# Allegro board 2522-mb-pro_vc.brd (continued)
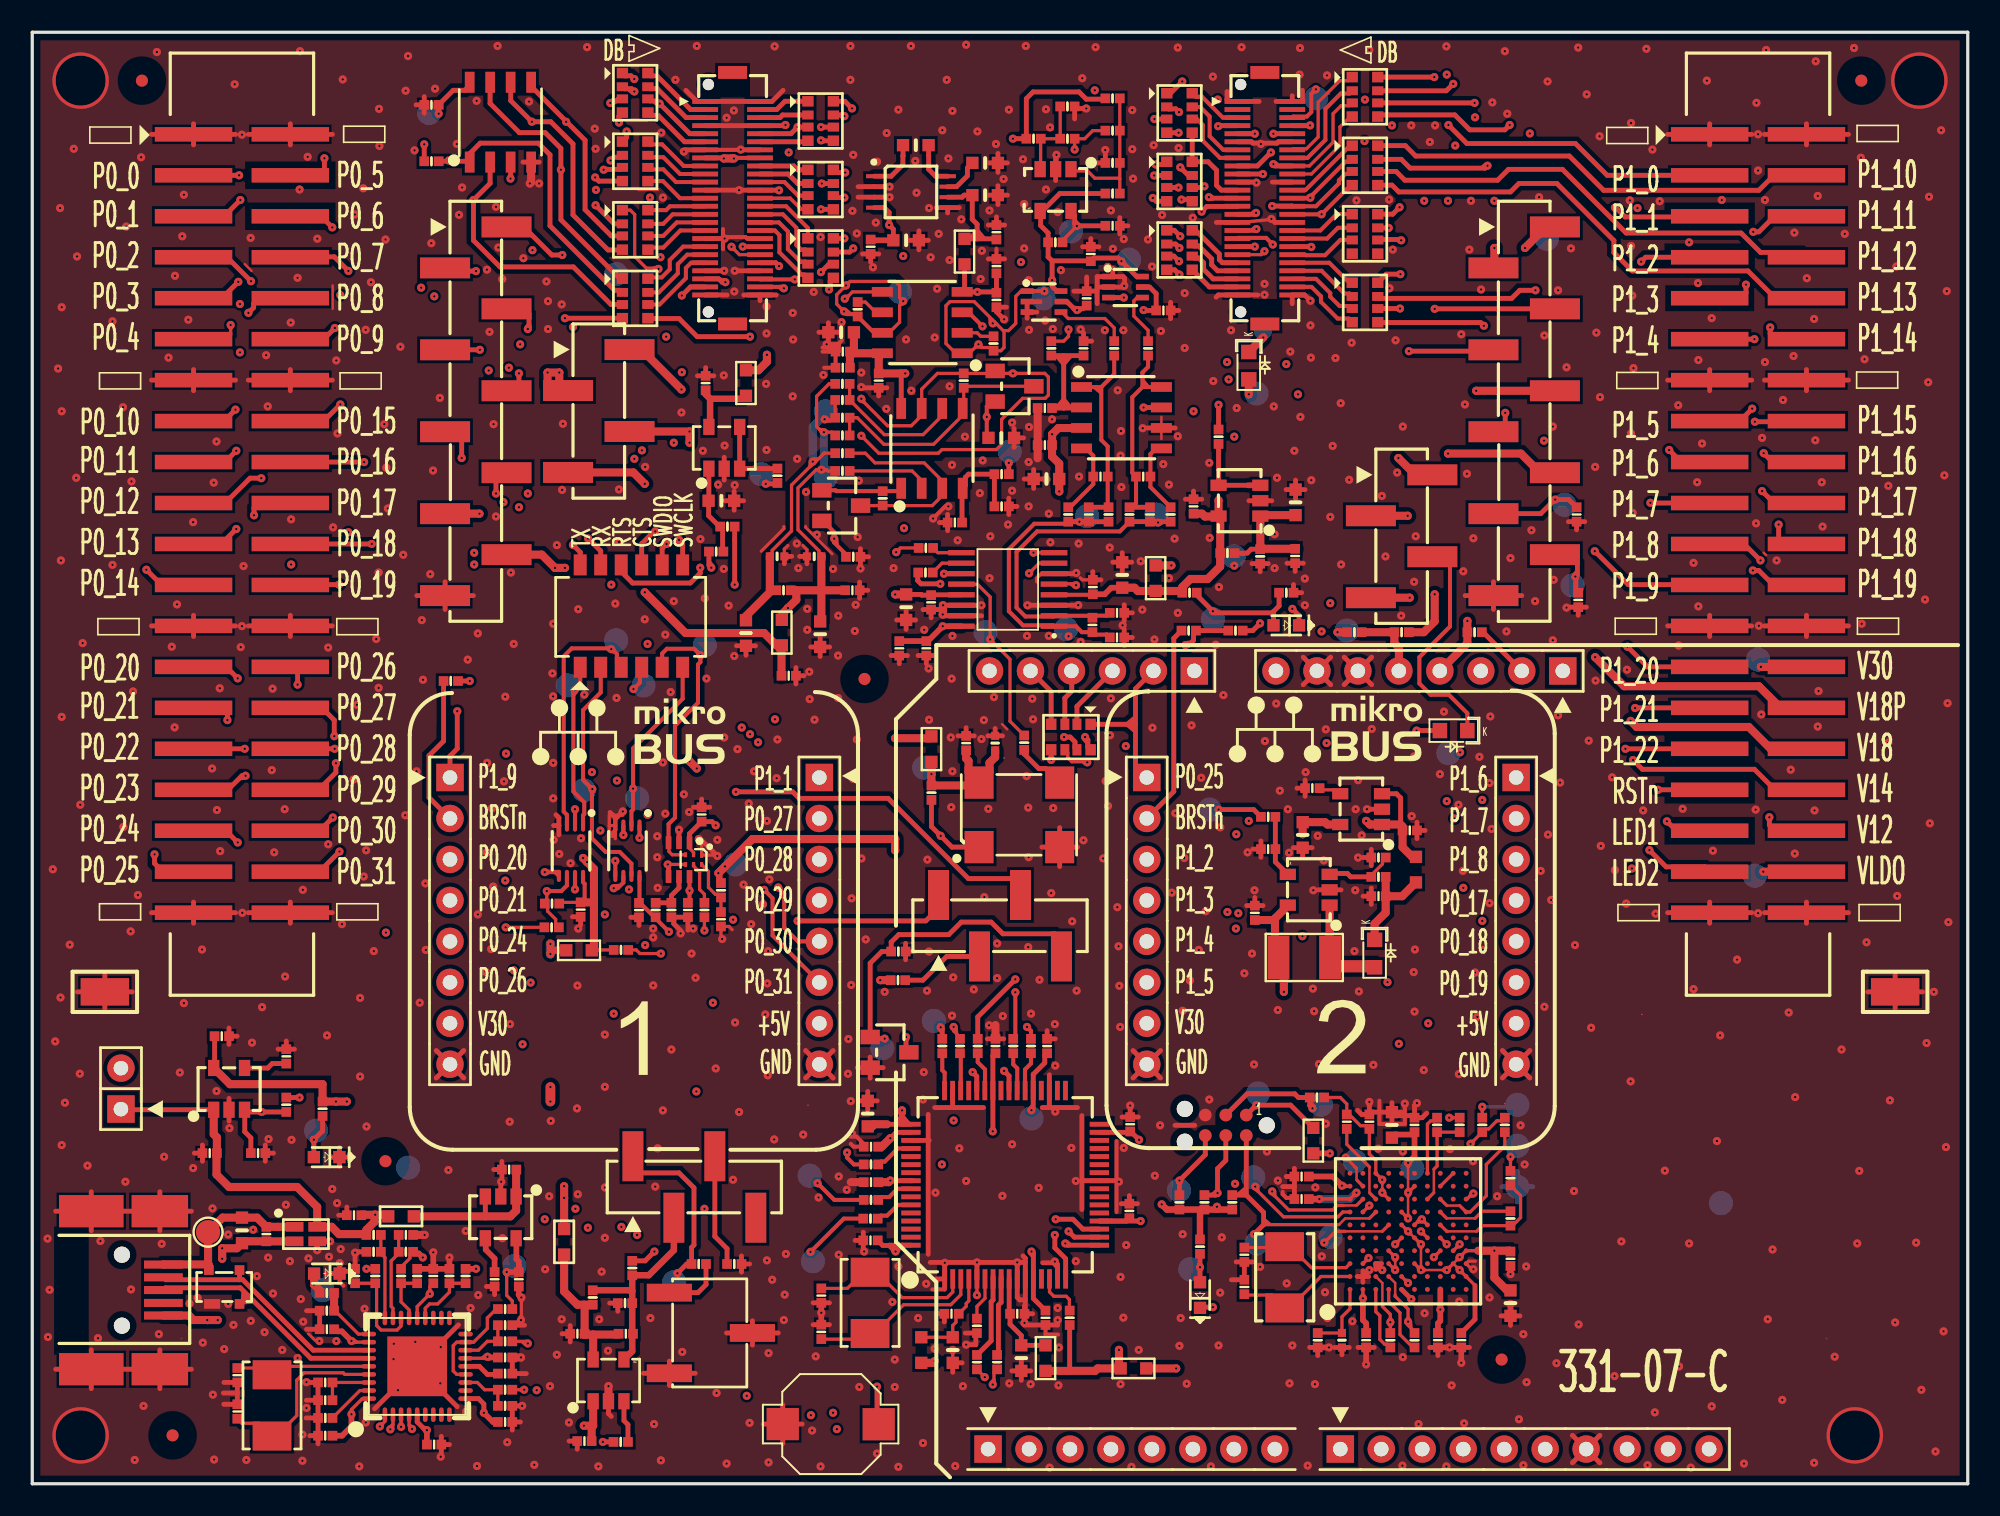
[diagram p0: board, top side]
## Routing (per net, layer and track width the routed paths; a pad name or vN(x,y) marks a point on that pad's centre or on a via; arc(x,y) is an arc through that point) (continued)
N17079327: length 5.3
  TOP w0.2: U11.27 21.86,14.03 21.61,14.28 R51.1 R47.2
N17079355: length 3.9
  TOP w0.2: U11.28 20.22,9.28 18.82,10.68 18.76,10.68 R56.1
  TOP w0.5: R56.1 R55.1
N17079359: length 4.1
  TOP w0.2: 26.86,12.43 25.86,12.43 25.86,11.88 25.14,11.15 24.64,11.15 24.36,10.88 U11.22
N17079379: length 6.1
  TOP w0.2: U11.25 22.86,9.78 22.61,9.53 21.63,9.53 21.35,9.81 21.35,12.35 21.27,12.43 20.02,12.43
N17079385: length 3.4
  TOP w0.2: U11.24 23.36,10.78 22.86,11.28 22.86,12.43 23.86,12.43
N17082298: length 11.6
  TOP w0.2: 61.5,46.4 60.62,47.28 60.62,51.12 v1(59.39,52.35) 59.39,54.98 58.6,55.77 57.62,55.77 U8.12
N17082660: length 1.9
  TOP w0.2: R39.2 56.15,57.73 U8.9
N17082690: length 2
  TOP w0.2: U8.10 56.41,57.08 R40.1
N17082834: length 3.2
  TOP w0.3: Y2.3 62.83,44.35 62.4,44.35 61.5,45.25 R44.1
N17121659: length 5
  TOP w0.25: Q1.1 49.81,61.6 49.86,61.55 R310.2 53.7,61.55 U6.1
N17121678: length 12.5
  TOP w0.25: 68.18,60.55 68.43,60.8 C22.2 68.2,62.68 68.2,67.37 68.83,68 ; R29.1 69.18,69.25 68.83,68.9 68.83,68 ; 70.01,68 68.83,68
  TOP w0.3: U7.8 70.01,68 ; C119.2 R26.2
N17121692: length 12.7
  TOP w0.2: Q1.3 52.18,60.65 52.19,60.65 R310.1 52.9,60.65 52.9,60.65 55.8,60.65 56.42,61.27 56.42,62.18 55.3,63.3 52.25,63.3 51.65,63.9 R27.2
  TOP w0.25: 56.42,61.72 U6.3
N17121694: length 5.2
  TOP w0.2: R30.2 54.55,62.8 55.14,62.21 55.14,61.72
  TOP w0.25: 55.14,61.72 U6.2
N17121873: length 32.4
  TOP w0.2: v1(49.12,66) 49.21,65.91 49.5,65.91 49.68,66.1 49.78,66.1 49.78,67.2 ; 49.78,63.9 49.1,63.9 48.58,63.38 v1(48.39,63.38) 48.39,63.24 47.08,61.92 47.08,59.08 45.88,57.88 45.88,57.64 45.73,57.5
  TOP w0.5: J9.1 37.77,70.33 v1(40.25,67.85) ; R28.2 45.79,55.4 ; 45.79,55.4 45.79,55.34 44.25,53.8 C106.2 ; 45.79,55.4 45.73,55.46 C25.1
  L3_INT2 w0.5: v1(49.12,66) 42.1,66 v1(40.25,67.85)
  BOTTOM w0.5: v1(49.12,66) 48.85,66 48.39,65.54 v1(48.39,63.38)
N17121979: length 22.1
  TOP w0.2: v1(50.38,73.47) 50.42,73.47 50.85,73.9 52.7,73.9
  TOP w0.25: R33.1 50.45,57.62 49.72,58.36 v1(49.72,58.6) 49.72,59.01 49.02,59.7 Q1.2 ; 52.7,73.9 U9.5
  L5_INT4 w0.15: v1(50.38,73.47) 50.35,73.45 50.2,73.45 48.13,71.38 48.13,64.92 49.85,63.2 49.85,58.73 v1(49.72,58.6)
N17122254: length 4.7
  TOP w0.25: R31.1 69.33,61.8 C22.1 69.33,63.85 69.68,64.2 70.01,64.2
  TOP w0.3: U7.5 70.01,64.2
N17122256: length 4.8
  TOP w0.25: R34.1 64.35,60.55 65.78,61.98 C30.1 65.78,63.75 65.33,64.2 65.05,64.2
  TOP w0.3: U7.4 65.05,64.2
N17122316: length 12.4
  TOP w0.25: 66.28,68 66.28,64.72 66.68,64.32 C30.2 66.68,60.6 R35.2 ; 66.28,68 67.08,68.8 R36.1 ; 66.28,68 65.22,68
  TOP w0.3: 65.22,68 65.22,68 U7.1 ; R35.2 C120.2
N17122322: length 3.5
  TOP w0.2: R29.2 69.18,71.52 68.3,72.4 68.3,73.35 68.5,73.55 68.57,73.55
  TOP w0.3: U15.4 68.57,73.55
N17136414: length 4.9
  TOP w0.3: U1.4 U1.3 43.87,62.95 R72.2
N17136436: length 4.7
  TOP w0.4: U1.5 42.02,65.61 42.02,67.28 ; 42.02,67.28 44.07,67.28 LP11.1 ; 42.02,67.28 41.75,67.55 C1.2
N17136444: length 5.6
  TOP w0.3: R3.2 42.8,57.85 42.8,59.2 R147.2 42.61,59.35 41.93,60.02 R148.1 41.93,61.12 41.95,61.14 U1.1
N17154929: length 2.6
  TOP w0.25: U12.38 61.56,24.31 61.55,24.3 61.55,25.69 61.92,26.06 R61.1
N17154945: length 2.7
  TOP w0.25: U12.39 61.06,24.25 61.07,24.24 61.07,25.75 60.82,26 R63.1
N17154973: length 2.6
  TOP w0.2: 54.62,20.79 U12.52
  TOP w0.25: R68.1 52.62,19.98 52.85,19.98 53.67,20.79 U12.52
N17155001: length 2.8
  TOP w0.25: U12.43 59.06,24.25 59.07,24.24 59.07,25.69 58.62,26.14 R67.1
N17155045: length 10.3
  TOP w0.2: C67.2 50.54,12.11 51.54,13.12 Y4.1 52.36,13.12 53.94,11.54 56.72,11.54 57.07,11.89 U12.2 57.07,12.84
N17155047: length 10.9
  TOP w0.2: 57.57,12.84 U12.3 57.57,11.72 56.95,11.1 54.03,11.1 52.24,9.31 Y4.2 51.6,8.97 C74.1
N17155095: length 6.1
  TOP w0.2: 58.07,12.84 U12.4 58.07,11.34 57.9,11.18 57.9,11 C55.2 57.27,10.37 57.27,10.01 57.07,9.81 C54.1 LP7.2
N17155127: length 6.1
  TOP w0.2: 60.57,12.84 U12.9
  TOP w0.3: U12.9 60.57,10.59 C46.2 60.62,9.89 61.32,9.19 C45.1 LP6.2
N17155179: length 3.1
  TOP w0.2: R65.2 64.3,10.76 64.3,11.43 64.1,11.62 63.34,11.62 63.07,11.89 U12.14 63.07,12.84
N17155343: length 5
  TOP w0.3: 60.07,12.84 U12.8 60.07,11.25 59.9,11.08 59.9,8.07 R53.2
N17155361: length 5.3
  TOP w0.3: R52.2 59.45,8.87 59.45,11.27 59.57,11.39 U12.7 59.57,12.84
N17155380: length 2.8
  TOP w0.2: R57.2 58.57,11 59.07,11.5 U12.6 59.07,12.84
N17164497: length 15.3
  TOP w0.3: R71.1 v1(14.22,23.05) 13.3,23.05 13.18,23.18 ; 13.18,23.18 13.18,21.82 13.55,21.45 C104.2 ; 13.18,23.18 U14.3
  L3_INT2 w0.15: v1(14.22,23.05) 8.22,23.05 J6.2
N17181215: length 2.4
  TOP w0.25: U12.48 56.56,24.44 56.57,24.45 56.57,25.49 56.42,25.64 R82.1
N17181512: length 7.1
  TOP w0.3: 63.95,69.95 65.17,69.95 C29.2 ; 63.95,69.95 63.95,66.7 ; 63.95,69.95 63.19,69.95 63.19,69.94 R95.1 ; U7.2 65.02,66.7 63.95,66.7 ; 63.95,66.7 C99.2
N17183681: length 5.2
  TOP w0.3: R79.2 U10.4 75.38,61.91 ; U10.3 76.13,61.91
  TOP w0.35: 76.13,61.91 75.38,61.91
N17218883: length 1.4
  TOP w0.2: C88.1 79.92,43.02 80.67,43.02 80.91,42.79 80.97,42.79
  TOP w0.3: 80.97,42.79 80.98,42.78 U17.4
N17218976: length 6.4
  TOP w0.5: LP13.1 84.93,36.43 C89.2 ; C89.2 83.91,35.41 83.22,34.72 D8.1 ; C89.2 R83.2
N17222123: length 35.5
  TOP w0.5: C85.2 76.95,34.95 77.05,35.05 ; v1(77.6,30.5) 77.6,32.3 L2.1 77.05,32.84 77.05,35.05 ; 77.05,35.05 77.84,35.84 U18.5 ; v1(70.92,7.15) LP1.2
  L5_INT4 w0.5: v1(70.92,7.15) 78.03,14.25 78.03,30.07 v1(77.6,30.5)
N17222127: length 6.3
  TOP w0.5: L2.2 80.44,32.66 U18.1
  TOP w0.75: L2.2 81.01,32.09 83.16,32.09 D8.2
N17222179: length 4.3
  TOP w0.2: R84.1 83.72,38.63 83.72,38.43 83.02,37.73 R83.1
  TOP w0.3: R83.1 81.75,37.63 81.53,37.84 80.49,37.84 U18.3
N17222640: length 3.9
  TOP w0.3: R85.2 C105.2 77.07,38.56 U18.4
N17232757: length 2.3
  TOP w0.25: R81.1 57.57,26.64 57.57,24.4 57.56,24.39 U12.46
N17314139: length 10
  TOP w0.3: 34.2,9.25 C21.2 ; C115.1 36.3,9.25
  TOP w0.5: 34.2,11.1 33.8,11.1 32.98,11.93 LP5.2 ; 34.2,11.1 34.75,11.1 R23.1 ; 34.2,11.1 34.25,11.05 C21.2 ; U5.5 34.77,9.25 ; 34.77,9.25 36.3,9.25 ; 34.77,9.25 34.2,9.25 34.2,9.25
N17314141: length 13.3
  TOP w0.3: 37.2,9.4 37.25,9.35 C115.2
  TOP w0.4: R23.2 37.05,12 37.15,11.9 37.2,11.95 ; 37.2,11.95 R314.1 38.23,12.93 39.78,14.48 39.78,16.5 ; 37.2,11.95 37.2,11.2 R25.1 37.2,8.22 U5.4
N17314223: length 2.6
  TOP w0.3: U5.3 36.69,3.91 36.93,3.67 R24.1
N17317302: length 2.8
  TOP w0.3: R70.1 18,21.88 v1(17.46,21.33) D5.2
N17441945: length 15.7
  TOP w0.2: 57.69,66.72 57.75,66.79 R311.1 57.85,68.05 Q2.3 ; R141.2 R109.2 51.15,66.1 52.8,64.45 55.88,64.45 57.68,66.25 57.68,66.73
  TOP w0.3: 57.68,66.73 57.69,66.72 U6.5
N17441947: length 8.6
  TOP w0.2: 56.42,66.68 56.42,66.24 55.23,65.05 52.83,65.05 R142.2 R111.2
  TOP w0.25: 56.42,66.68 U6.6
N17441976: length 10.2
  TOP w0.2: 57.84,72.64 57.85,72.64 58.04,72.64 58.05,72.64
  TOP w0.25: U9.3 58.05,72.64 v1(58.91,71.77) ; R112.1 59.18,64.96 v1(59.18,66.15) 59.18,66.8 59.43,67.05 59.65,67.05 Q2.2
  L5_INT4 w0.2: v1(59.18,66.15) 59.18,71.5 v1(58.91,71.77)
N17445309: length 49.7
  TOP w0.2: 62.52,78.81 62.49,78.84 U19.4
  TOP w0.3: 63.23,75.83 v1(63.23,74.62) 63.23,74.24 63.52,73.95 U16.6 ; 63.23,75.83 62.98,76.07 R118.2 62.98,77.55 62.52,78.02 62.52,78.81 63.71,80 R116.2 ; 63.23,75.83 65.61,75.83 C98.1 65.83,76 67.33,76 v1(67.53,75.8) 68.48,74.85 U15.6 ; D1.1 78.54,53.83 v1(78.12,54.25)
  L3_INT2 w0.15: v1(77.75,69.42) 75.12,69.42 69.78,74.78 63.38,74.78 v1(63.23,74.62)
  L5_INT4 w0.15: v1(78.12,54.25) 77.75,54.62 v1(77.75,69.42)
N17450513: length 2
  TOP w0.2: U9.2 58.59,71.36 58.8,71.15 R313.1
N17450521: length 31.6
  TOP w0.2: U16.1 61.3,73.95 60.98,73.62 60.98,71.95 60.52,71.5 60.25,71.5 ; 60.25,71.5 60.2,71.5 59.8,71.9 59.65,71.9 59.6,71.95 v1(59.55,71.95) 59.55,72.15 58.4,73.3 56.9,73.3 56.65,73.05 56.65,70.7 57.26,70.09 U9.1 58.1,70.09 58.66,70.65 v1(58.66,70.65) 58.87,70.45 59.4,70.45 R313.2 60.05,70.25 60.25,70.45 60.25,71.5
  TOP w0.25: U16.1 v1(62.75,73.95)
  L5_INT4 w0.15: 58.45,71.47 58.45,72 58.7,72.25 59.3,72.25 59.55,72 v1(59.55,71.95) 59.61,71.89 59.61,71.84 59.65,71.8 59.65,65.95 59.35,65.65 58.95,65.65 58.66,65.94 v1(58.66,70.65) 58.66,71.26 58.45,71.47
N17452866: length 4.5
  TOP w0.2: U16.4 63.83,72.65 64.23,72.25 66.5,72.25 67.08,71.67 R36.2
N17458247: length 64.4
  TOP w0.2: U9.7 53.12,71.36 53.77,72.03 53.77,73.05 54,73.28 v1(54,73.33) 53.77,73.55 53.77,74.31 53.53,74.55 50.7,74.55 v1(50.45,74.3) 49.88,73.72 49.88,73.15 v1(50.34,72.69)
  TOP w0.25: U9.7 52.19,71.36 R312.2 51.03,72.53 50.5,72.53 v1(50.34,72.69)
  TOP w0.3: U15.3 v1(67.67,73.55)
  L3_INT2 w0.15: v1(67.67,73.55) 67.55,73.42 54.1,73.42 v1(54,73.33)
  L5_INT4 w0.15: 48.52,71.12 50.09,72.69 v1(50.34,72.69) 51.05,73.4 51.05,73.75 50.5,74.3 v1(50.45,74.3) 50.4,74.25 50.35,74.25 47.73,71.63 47.73,64.74 49.45,63.02 49.45,59 49.2,58.75 49.2,58.35 49.5,58.05 49.95,58.05 50.25,58.35 50.25,63.35 48.52,65.08 48.52,71.12
N17458255: length 1.8
  TOP w0.2: R312.1 51.65,73.27 52.29,72.64 U9.6
N17477323: length 2.4
  TOP w0.25: U12.59 53.66,17.29 53,16.62 52.6,16.62 R114.1
N17477326: length 4.1
  TOP w0.25: 51.52,16.44 50.31,16.44 v1(48.25,14.38)
N17495408: length 9.2
  TOP w0.2: 67.43,80.9 R115.2 R117.2 R138.1 ; 67.43,80.9 R116.1 ; 67.43,80.9 67.38,80.95 65.88,80.95 65.43,81.4 64.43,81.4 64.4,81.43 U19.1
N17497704: length 5.3
  TOP w0.2: 63.73,85.4 63.73,83.4 R119.2 62.52,83.39 62.52,81.4 62.49,81.43 U19.3
N17613995: length 2.4
  TOP w0.3: C110.1 57.98,81.59 57.98,81.1 57.3,80.42 56.76,80.42
N17613998: length 3.3
  TOP w0.3: C109.1 53.99,82.34 53.98,82.33 53.98,81.8 53.26,81.08 52.2,81.08
N17614007: length 2.9
  TOP w0.3: C109.2 55.57,82.34 55.58,82.33 55.58,81.5 56.01,81.08 56.76,81.08
N17614141: length 6.4
  TOP w0.3: 58.58,77.19 59.74,77.19 C112.2 ; 58.58,77.19 58.58,78.1 58.28,78.4 58.28,79.89 C111.1 57.78,79.9 57.66,79.78 56.76,79.78 ; 58.58,77.19 LP3.2
N17618469: length 8.1
  TOP w0.3: R80.1 75.57,57.95 75.33,57.7 R78.2
  TOP w0.5: 76.14,57.96 76.16,57.97 C41.2 ; 76.14,57.96 U10.1 76.2,60.06 C44.1 ; 76.14,57.96 R80.1
N17648602: length 7.6
  TOP w0.3: R135.1 72.2,55.1 v1(73.2,54.1) 73.25,54.1 73.35,54 76.88,54 76.96,54.08 ; R136.2 77.3,54.43 76.96,54.08 ; 76.96,54.08 D1.2
N17745479: length 23.5
  TOP w0.5: C121.1 46.45,51.96 LP4.2 46.14,51.98 45.37,52.75 40.5,52.75 v1(37.98,55.27) ; v1(37.98,62) 37.27,62.7 J9.4
  L5_INT4 w0.5: v1(37.98,62) v1(37.98,55.27)
N17757174: length 3.8
  TOP w0.3: J2.41 73.79,75.71 73.6,75.9 73.6,76.25 72.13,77.72 RN6.8
N17757176: length 3.7
  TOP w0.3: J2.43 73.49,75.21 73.12,75.58 73.12,75.95 72.33,76.75 72.04,76.75 RN6.7
N17757178: length 3.6
  TOP w0.3: RN6.6 72.04,76 72.33,76 72.62,75.7 72.62,75.3 73.22,74.71 J2.45
N17757180: length 3.2
  TOP w0.3: J2.47 72.98,74.21 RN6.5
N17757188: length 4.6
  TOP w0.25: J2.13 73.84,82.71 73,83.55 73,84.78 72.41,85.37 RN5.7
N17757190: length 4.4
  TOP w0.25: J2.15 73.64,82.21 72.58,83.27 72.58,84.25 72.2,84.62 RN5.6
N17757192: length 3.4
  TOP w0.25: J2.5 73.81,84.71 72.53,86 72.14,86 RN5.8
N17757222: length 6.9
  TOP w0.2: J2.14 78.19,82.78 79,82.78 79.72,83.5 79.72,85.66 81.07,87 81.62,87 RN7.1
N17757224: length 6.6
  TOP w0.25: J2.16 79.06,82.21 80.17,83.33 80.17,85.25 81.13,86.2 81.67,86.2 RN7.2
N17757228: length 5.9
  TOP w0.2: RN7.4 81.72,84.77 81.08,84.12 81.08,82.98 79.31,81.21 J2.20
N17757230: length 4.9
  TOP w0.25: J2.24 78.94,80.21 81.7,82.97 RN8.1
N17757284: length 4.3
  TOP w0.3: J1.5 40.54,84.71 38.75,86.5 38.29,86.5 RN1.7
N17757290: length 4.5
  TOP w0.3: RN1.8 38.34,87.3 38.73,87.3 40.81,85.21 J1.3
N17757294: length 4.3
  TOP w0.3: RN1.5 38.34,84.85 38.8,84.85 40.44,83.21 J1.11
N17757296: length 4.2
  TOP w0.25: J1.17 40.39,81.71 39.05,83.05 38.34,83.05 RN2.8
N17757298: length 4
  TOP w0.25: RN2.7 38.29,82.25 39.13,82.25 40.17,81.21 J1.19
N17757300: length 3.9
  TOP w0.25: RN2.6 38.29,81.5 39.12,81.5 39.91,80.71 J1.21
N17757306: length 4
  TOP w0.25: J1.25 40.16,79.71 39.1,80.77 RN2.5
N17757308: length 3.6
  TOP w0.25: RN10.8 39.29,78.97 39.53,79.21 J1.27
N17757310: length 3.8
  TOP w0.25: J1.29 39.71,78.71 39.12,78.12 RN10.7
N17757312: length 3.9
  TOP w0.25: J1.31 39.96,78.21 39.12,77.37 RN10.6
N17757314: length 4
  TOP w0.25: RN10.5 38.3,76.65 39.13,76.65 40.19,77.71 J1.33
N17757316: length 4.7
  TOP w0.25: J1.37 40.36,76.71 39.52,75.88 39.52,75.3 39.02,74.8 38.25,74.8 RN13.8
N17757318: length 4.9
  TOP w0.25: J1.39 40.61,76.21 40.02,75.62 40.02,75.05 38.84,73.87 RN13.7
N17757320: length 5
  TOP w0.25: RN13.6 38.9,73.12 40.52,74.75 40.52,75.39 40.85,75.71 J1.41
N17757330: length 3
  TOP w0.3: J1.12 48.03,83.21 RN3.4
N17757336: length 3.1
  TOP w0.3: RN4.1 47.46,81.47 47.22,81.71 J1.18
N17757338: length 3.2
  TOP w0.3: RN4.2 47.45,80.62 46.86,81.21 J1.20
N17757340: length 4.7
  TOP w0.25: J1.32 46.29,78.21 46.85,77.65 46.85,76.55 47.63,75.78 47.94,75.78 RN11.3
N17757342: length 4.8
  TOP w0.25: RN11.4 47.88,74.97 47.7,74.97 46.33,76.35 46.33,77.42 46.04,77.71 J1.34
N17757344: length 4.2
  TOP w0.25: RN11.1 48.09,77.86 46.74,79.21 J1.28
N17757346: length 4.6
  TOP w0.25: J1.30 46.54,78.71 47.38,77.87 47.38,76.8 47.65,76.53 47.94,76.53 RN11.2
N17757348: length 3.3
  TOP w0.25: RN4.3 47.48,79.87 46.64,80.71 J1.22
N17757407: length 4
  TOP w0.25: J2.36 80.28,77.21 80.95,77.88 81.83,77.88 RN12.2
N17757409: length 4.1
  TOP w0.25: RN12.1 81.83,78.72 80.88,78.72 79.86,77.71 J2.34
N17757411: length 4.8
  TOP w0.25: RN15.4 81.61,72.25 80.93,72.25 79.9,73.28 79.9,73.62 79.31,74.21 J2.48
N17757413: length 4.6
  TOP w0.25: RN15.3 81.69,73.03 81.05,73.03 80.47,73.6 80.47,73.83 79.59,74.71 J2.46
N17757415: length 4.4
  TOP w0.25: RN15.2 81.66,73.8 81.35,73.8 79.94,75.21 J2.44
N17757417: length 4.2
  TOP w0.25: RN15.1 81.65,74.47 80.41,75.71 J2.42
N17793015: length 3
  TOP w0.3: J1.6 46.36,84.71 46.52,84.87 RN3.2
N17793021: length 3.2
  TOP w0.3: J1.4 46.16,85.21 46.67,85.72 RN3.1
N17793668: length 3.3
  TOP w0.22: J1.26 46.99,79.71 47.67,79.03 48.09,79.03 RN4.4
N17794479: length 4.1
  TOP w0.25: J2.40 78.92,76.21 78.95,76.17 80.15,76.17 81.1,77.12 81.83,77.12 RN12.3
N17834809: length 16.2
  TOP w0.3: v1(76.12,53.35) 75.67,52.9 R144.2
  L3_INT2 w0.15: v1(76.12,53.35) 76.15,53.33 86.89,53.33 J11.3
N17836923: length 3.8
  TOP w0.3: R127.3 41.27,11.85 41.77,12.35 R121.2
N17837767: length 10.9
  TOP w0.3: J5.1 37.24,19.57 37.54,19.27 40.1,19.27 41.02,18.35 41.02,14.8 40.88,14.65 R121.1 40.58,13.62 v1(40,13.05)
N17837904: length 7
  TOP w0.3: J5.3 42.32,15.34 43.08,14.58 R93.2
N17839186: length 3.3
  TOP w0.25: v1(48.69,18.64) 49.73,17.6 R152.2
N17839188: length 2.3
  TOP w0.25: R152.1 52.62,17.77 53.13,17.77 53.64,18.29 U12.57
N17842748: length 28.3
  TOP w0.3: K1.1 52.38,3.79 v1(52.38,6.03)
  TOP w0.5: v1(52.58,31.23) R7.1
  L5_INT4 w0.15: v1(52.58,31.23) 52.38,31.02 v1(52.38,6.03)
N17903190: length 9.4
  TOP w0.3: R145.2 25.5,46.05 24.6,45.15 24.6,42.55 J15.2
N17950666: length 12.5
  TOP w0.3: R146.2 71.25,52.9 70.78,52.42 70.78,42.92 J17.2
N17956873: length 5.2
  TOP w0.3: J8.2 JS1.2 56.7,32.7 55.23,31.23 R7.2
N18079026: length 4.7
  TOP w0.2: v1(31.9,36.75) 31.9,36.25 31.75,36.1 31.75,36 R309.2 31.95,35.8 31.95,35.5 32.45,35 32.45,34.7 R308.2
  TOP w0.25: U23.6 33.15,37.1 32.8,36.75 v1(31.9,36.75)
N18166515: length 3.5
  TOP w0.2: U3.6 41.92,37.98 41.92,36.98 42.35,36.55 42.5,36.55 R38.2 C123.1
N18173384: length 2.8
  TOP w0.3: U21.5 40.1,36.95 39.62,36.48 R149.1 R4.2
N181603075: length 2.7
  TOP w0.2: U3.5 41,38.3 41.38,37.92 41.38,36.85 41.67,36.55 R37.2

## Copper pours and planes (outline as drawn; the poured copper is in the pictures)
GND on TOP: 0.5,0.5 0.5,89.5 119.5,89.5 119.5,0.5 ; 42 cut-outs
GND on BOTTOM, L2_INT1, L4_INT3: 0.5,89.5 0.5,0.5 119.5,0.5 119.5,89.5
GND on L3_INT2: 0.5,0.5 0.5,89.5 119.5,89.5 119.5,0.5 ; 8 cut-outs
GND on L5_INT4: 0.5,0.5 0.5,89.5 119.5,89.5 119.5,0.5 ; 18 cut-outs

Small or netless copper shapes (teardrops, artwork), in the pictures only: 441 on TOP, 5 on BOTTOM, 243 on L3_INT2, 264 on L5_INT4

## Text on the board
Board Geometry/Soldermask Top: JLink-OB | www.segger.com
Ref Des/Silkscreen Top: DB | TX | RX | RTS | CTS | SWDIO | SWCLK | P0_5 | P0_6 | P0_7 | P0_8 | P0_9 | P0_15 | P0_16 | P0_17 | P0_18 | P0_19 | P0_26 | P0_27 | P0_28 | P0_29 | P0_30 | P0_31 | P0_1 | P0_2 | P0_3 | P0_4 | P0_11 | P0_12 | P0_13 | P0_14 | P0_21 | P0_22 | P0_23 | P0_24 | P0_25 | P0_0 | P0_10 | P0_20 | P1_1 | P1_2 | P1_3 | P1_4 | P1_6 | P1_7 | P1_8 | P1_9 | P1_21 | P1_22 | RSTn | LED1 | LED2 | P1_0 | P1_5 | P1_20 | P1_10 | P1_11 | P1_12 | P1_13 | P1_14 | P1_15 | P1_16 | P1_17 | P1_18 | P1_19 | V30 | V18P | V18 | V14 | V12 | VLDO | 331-07-C
XSECTION_CHART: *  SURFACE - 0 MM | L1: TOP CONDUCTOR - 0.012 MM | *  DIELECTRIC - 0.24 MM | L2: L2_INT1 PLANE - 0.03 MM | *  DIELECTRIC - 0.36 MM | L3: L3_INT2 CONDUCTOR - 0.018 MM | L4: L4_INT3 PLANE - 0.03 MM | L5: L5_INT4 CONDUCTOR - 0.018 MM | L6: BOTTOM CONDUCTOR - 0.012 MM | DESIGN CROSS SECTION CHART | ___________________________ | TOTAL THICKNESS 1.56 MM
DIMENSION: SPACE FOR LABEL | SPACE FOR | ULmark, etc
User.17: FIGURE | SIZE | 0.15 | 0.9 | 3.1 | 0.7 | 1.0 | DRILL CHART: TOP to BOTTOM | ALL UNITS ARE IN MILLIMETERS | PLATED | NON-PLATED | QTY | 1492 | 66 | 4 | 5
